# KiCad board MB1635_good_conversion.kicad_pcb (continued)
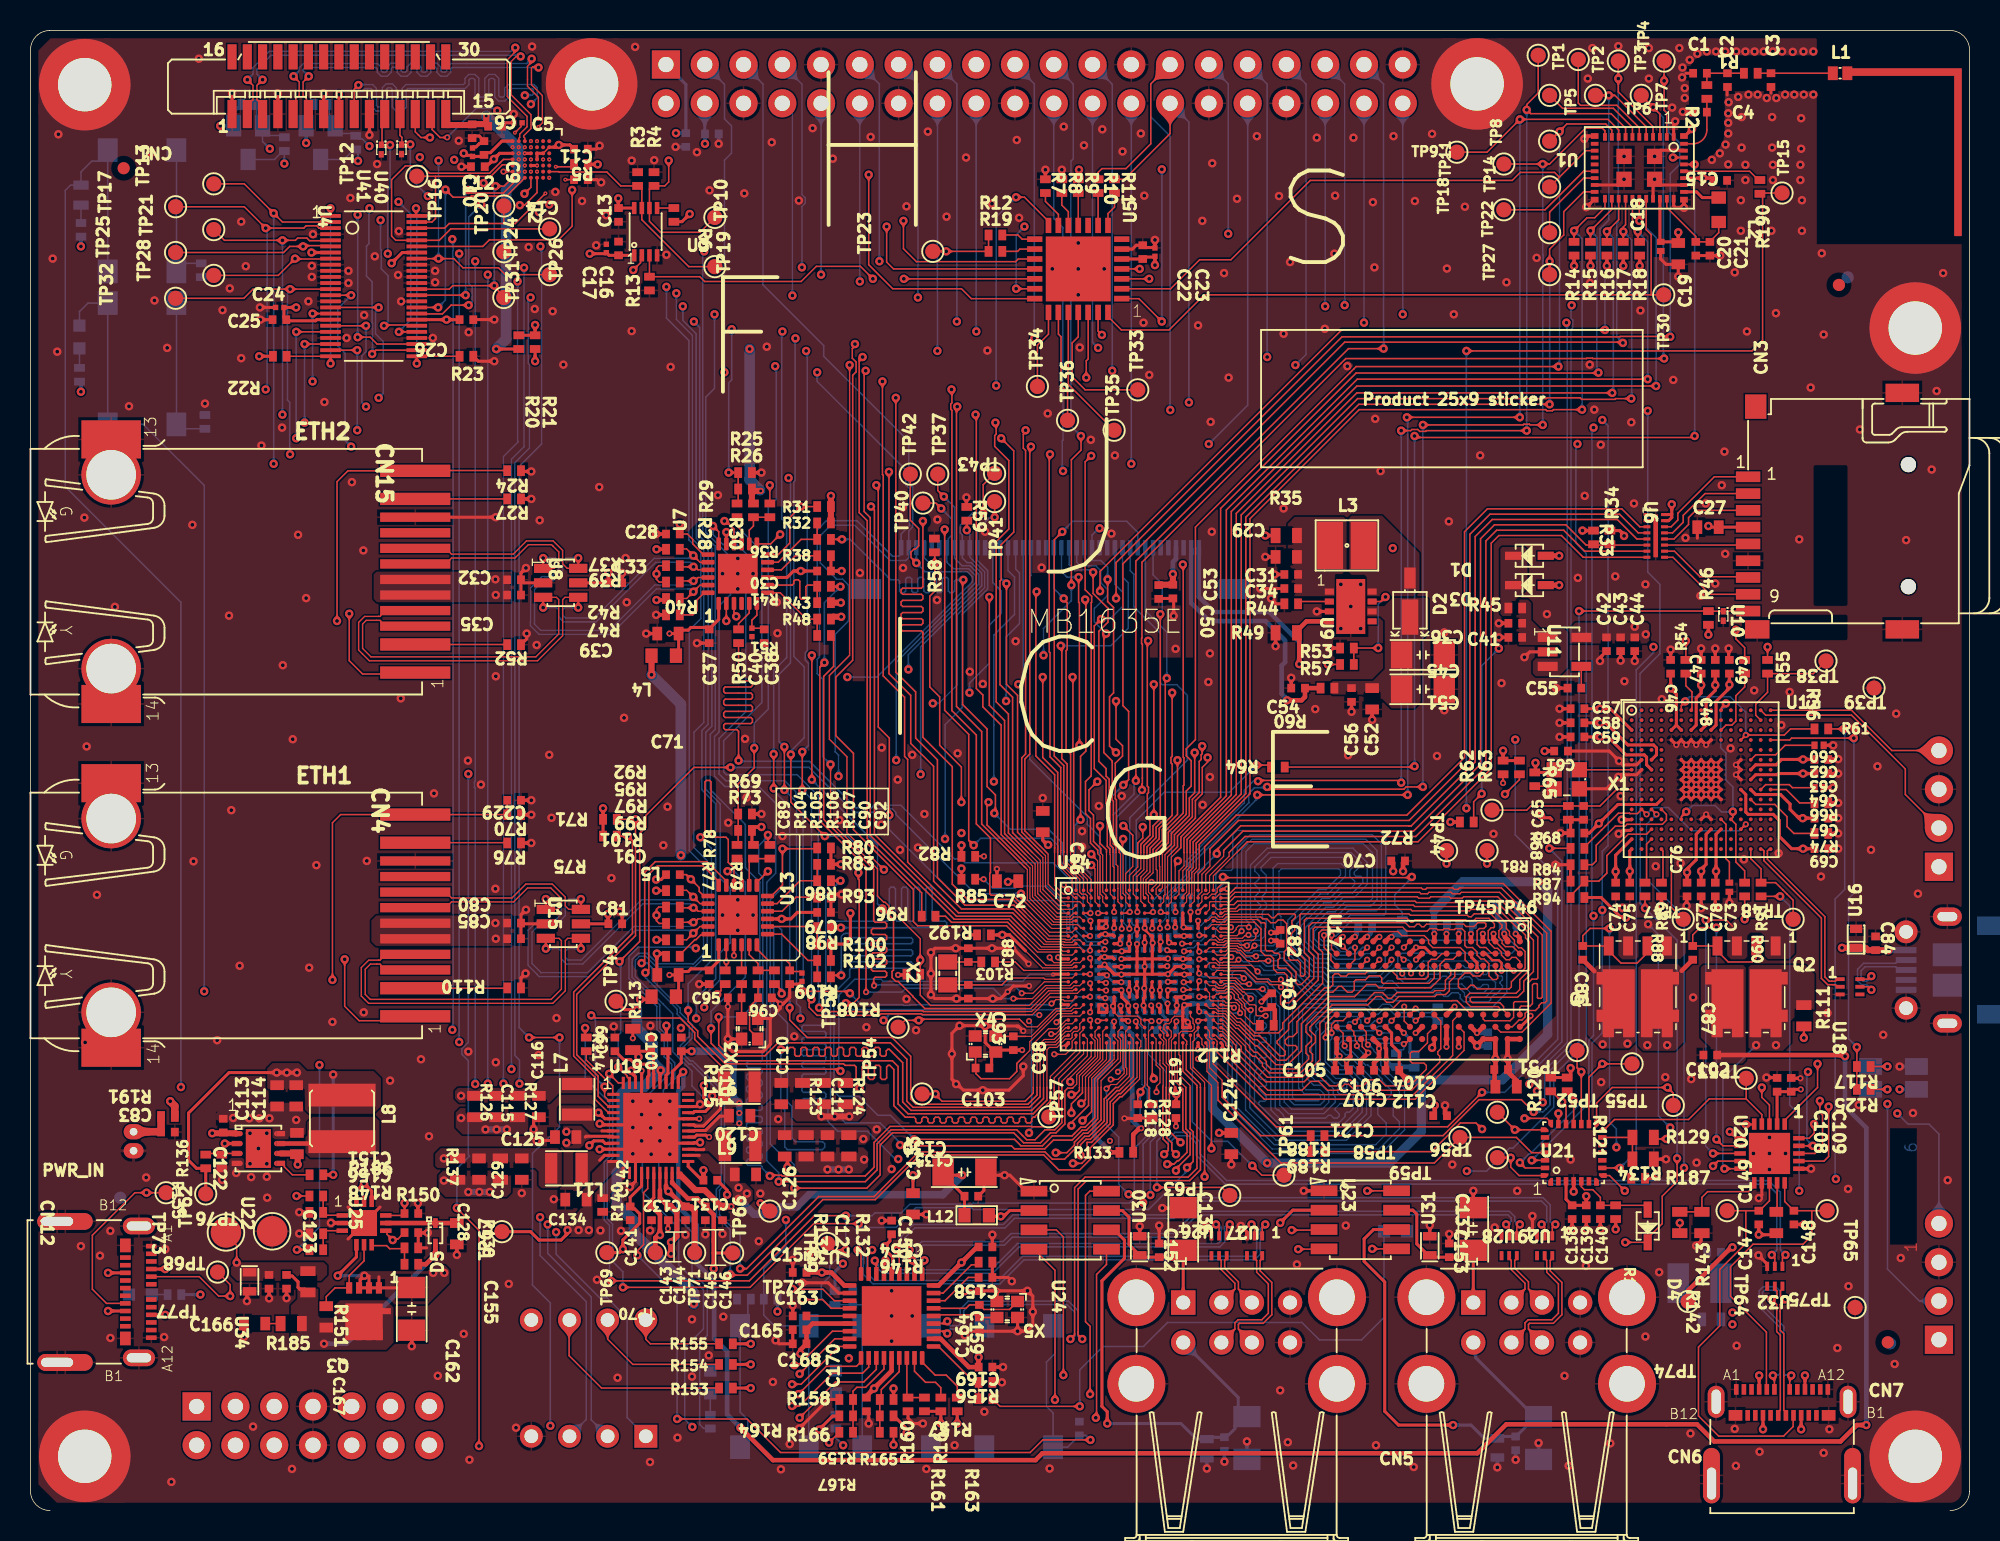
[diagram p0: board, top side]
## Routing (per net, layer and track width the routed paths; a pad name or vN(x,y) marks a point on that pad's centre or on a via; arc(x,y) is an arc through that point) (continued)
EXP_GPIO19: length 122.3
  Top Layer w0.075: 69.5,27.73 69.5,28.34 70.73,29.57 70.73,30.9 U14.Y6
  Top Layer w0.1: v1(68.9,25.55) 69.5,26.15 69.5,27.73
  Signal Layer 2 w0.09: v1(86.08,79) v1(100.95,79) ; v1(99.05,26.75) 98.3,26.75 97.1,25.55 75.95,25.55 75.2,24.81 74.5,24.81 74.22,24.52 71.66,24.52 71.24,24.95 70.63,25.55 v1(68.9,25.55)
  Bottom Layer w0.09: CN8.35 86.08,93.5 86.08,79 ; v1(99.05,26.75) 99.05,26.87 99.17,27 99.17,28.85 100.9,30.58 100.9,77.4 101.02,77.52 101.02,78.02 100.9,78.14 100.9,78.95 v1(100.95,79)
EXP_GPIO20: length 115.9
  Top Layer w0.075: U14.Y5 70,31.13 70,31 70.06,30.94 70.06,29.62 68.9,28.46 68.9,27.73
  Top Layer w0.1: 68.9,27.73 68.9,27.38 68.6,27.08 68.6,27.07 68.18,26.65 v1(68.18,26.05)
  Signal Layer 2 w0.09: v1(68.18,26.05) 97.28,26.05 98.68,27.45 v1(98.68,27.5) ; v1(87.34,77.85) v1(100.6,77.85)
  Bottom Layer w0.09: v1(98.68,27.5) 98.68,28.7 100.65,30.68 100.65,77.8 v1(100.6,77.85) ; v1(87.34,77.85) CN8.38
EXP_GPIO21: length 148.8
  Top Layer w0.075: U14.Y3 69.22,30.9 69.22,29.8 67.55,28.13 67.55,27.73
  Top Layer w0.1: v1(49,21.55) 54.68,21.55 55.45,22.33 55.45,24.03 56.37,24.95 64.6,24.95 65.25,24.3 65.8,24.3 66.45,24.95 67.08,24.95 67.55,25.42 67.55,27.73
  Signal Layer 2 w0.1: v1(44.8,78.4) v1(89.88,78.4)
  Bottom Layer w0.1: v1(49,21.55) 49,22.15 48.22,22.93 48.22,41.18 48.8,41.75 48.8,46.35 47.7,47.45 45.48,47.45 44.8,48.13 44.8,50.73 45.1,51.03 45.1,59.28 45.85,60.03 45.85,62.48 44.23,64.11 44.23,72.98 44.8,73.55 v1(44.8,78.4) ; v1(89.88,78.4) CN8.40
EXP_GPIO23: length 86.3
  Top Layer w0.075: 65.17,32.5 65.62,32.5 66.77,33.65 U14.R1
  Top Layer w0.1: 65.17,32.5 58.4,32.5 58.35,32.55 55.7,32.55 55.6,32.45 51.52,32.45 51,32.97 51,33.23 51.15,33.38 v1(51.15,33.5) ; v1(50.55,47.23) v1(50.55,49.73)
  Signal Layer 2 w0.1: v1(59.4,76) 57.58,76 57.46,76.13 54.28,76.13 54.15,76 v1(50.8,76)
  Bottom Layer w0.1: v1(51.15,33.5) 51.15,46.63 v1(50.55,47.23) ; v1(50.55,49.73) 50.95,50.13 50.95,55.53 50.75,55.73 50.75,56.23 50.87,56.35 50.87,75.93 v1(50.8,76) ; v1(59.4,76) CN8.16
EXP_GPIO24: length 99.8
  Top Layer w0.075: 65.93,27.73 65.93,30.4 66.4,30.88 67.04,30.88 67.81,31.64 67.97,31.64 U14.W1
  Top Layer w0.1: v1(48.67,47.33) v1(48.67,49.58) ; 65.93,27.73 65.93,27.23 65.33,26.63 58,26.63 57.65,26.98 57.65,29.78 56.42,31 50.87,31 49.72,32.15 v1(49.72,32.95)
  Signal Layer 2 w0.1: v1(49.25,77.28) v1(61.95,77.28)
  Bottom Layer w0.1: v1(49.25,77.28) 49.2,77.23 49.2,65 49.52,64.68 49.52,55.9 48.67,55.05 v1(48.67,49.58) ; v1(48.67,47.33) 48.67,47.2 48.8,47.08 48.8,47.05 49.72,46.13 v1(49.72,32.95) ; 61.94,77.28 CN8.18
EXP_GPIO25: length 100.8
  Top Layer w0.09: U14.P5 70,34.12 70.41,34.12 v2(70.45,34.08)
  Top Layer w0.1: v1(49.38,47.23) v1(49.38,50.05)
  Signal Layer 2 w0.09: v2(70.45,34.08) 69.76,34.08 69.7,34.02 66.99,34.02 66.08,33.1 v2(66.08,32.48)
  Signal Layer 2 w0.1: v1(49.65,67.68) 56.02,67.68 56.05,67.65 67.2,67.65 67.63,68.08 v1(67.63,68.13) ; v1(55.87,32.13) 55.17,32.13 55.04,32.25 v1(50.43,32.25)
  Bottom Layer w0.09: 65.17,32.48 v2(66.08,32.48)
  Bottom Layer w0.1: v1(49.38,47.23) 50.17,46.43 50.17,33.23 50.43,32.98 v1(50.43,32.25) ; CN8.22 67.02,84.68 67.62,84.08 67.62,70.15 67.58,70.1 67.58,68.18 v1(67.63,68.13) ; v1(49.38,50.05) 49.03,50.4 49.03,54.8 49.77,55.55 49.77,67.43 49.65,67.55 v1(49.65,67.68) ; v1(55.87,32.13) 56.3,32.55 58.35,32.55 58.43,32.48 65.17,32.48
EXP_GPIO26: length 66.6
  Top Layer w0.09: v2(71.47,38.13) U14.E8
  Top Layer w0.1: v1(88.63,76.15) 86.33,76.15 72.4,62.23 v1(72.4,47.83)
  Bottom Layer w0.09: v2(71.47,38.13) 71.43,38.18 71.43,43.13
  Bottom Layer w0.1: CN8.37 88.63,93.49 v1(88.63,76.15) ; 71.43,43.13 71.43,43.18 70.93,43.68 70.93,45.6 72.28,46.95 72.28,47.58 72.4,47.7 v1(72.4,47.83)
HSE_IN: length 6.6
  Top Layer w0.075: 65.17,31.08 65.56,31.08 67.22,32.73 68.16,32.73 68.33,32.9 68.73,32.9 U14.T3
  Top Layer w0.1: 63.2,31.08 C98.2 65.17,31.08
HSE_OUT: length 10.6
  Top Layer w0.075: U14.U2 68.47,32.64 68.31,32.64 68.23,32.57 67.29,32.57 65.45,30.73 65.45,30.15 65.17,29.88
  Top Layer w0.1: 65.17,29.88 64.6,29.3 64.6,28.78 64.12,28.3 62.26,28.3 61.93,28.63 61.93,28.97 C103.1 61.9,30.08
I2C1_SCL: length 150.4
  Top Layer w0.075: U14.A6 70.47,43.13
  Top Layer w0.1: 70.47,43.13 70.47,43.3 70.05,43.73 v1(70.05,44.88) ; v2(96.45,47.68) R62.1 ; v1(98.33,22.95) U21.26 ; R11.1 71.65,87.25 74.64,90.24 CN8.28
  Signal Layer 2 w0.1: v1(70.05,44.88) 71.4,46.23 72.6,46.23 73.8,47.43 78.22,47.43 79.22,48.43 80.66,48.43 80.73,48.35 95.78,48.35 v2(96.45,47.68) 96.52,47.68 97.05,47.15 97.05,46.75 102.95,40.85 v1(102.95,39.35) ; v1(102.95,71.48) 99.66,71.48 98.51,72.63 v1(75.88,72.63)
  Bottom Layer w0.1: CN8.28 75.88,91 v1(75.88,72.63) ; v1(102.95,71.48) 103.33,71.1 103.33,43.58 102.95,43.2 v1(102.95,39.35) 102.95,31.3 102.27,30.63 102.27,26.9 v1(98.33,22.95)
I2C1_SDA: length 158.7
  Top Layer w0.075: 72.2,43.13 72.2,42.22 71.73,41.74 71.73,40.55 71.96,40.31 71.96,40.16 U14.B9
  Top Layer w0.1: R10.1 69.92,87.7 70.17,87.95 71.75,87.95 73.38,89.58 73.38,93.5 CN8.27 ; v1(97.55,22.8) 97.9,22.45 U21.27 ; v1(71.58,44.88) 72.2,44.25 72.2,43.13 ; v1(96.58,46.95) 97.53,47.9 R63.1
  Signal Layer 2 w0.1: v1(74.65,72.13) 98.72,72.13 99.87,70.98 v1(102.38,70.98) ; v1(102.38,38.98) 102.38,41.14 96.58,46.94 v1(96.58,46.95) 96.57,46.95 95.37,48.15 80.65,48.15 80.58,48.23 79.3,48.23 78.3,47.23 73.93,47.23 v1(71.58,44.88)
  Bottom Layer w0.1: v1(97.55,22.8) 97.57,22.8 98.15,23.38 98.23,23.38 102.08,27.23 102.08,30.83 102.38,31.13 v1(102.38,38.98) 102.29,39.06 102.29,39.24 102.27,39.26 102.27,70.75 102.38,70.85 v1(102.38,70.98) ; CN8.27 73.38,93.5 73.38,91.34 74.64,90.08 74.64,72.13
I2C4_SCL: length 65.8
  Top Layer w0.075: U14.A9 71.97,41.63 72.52,42.18 72.52,43.13
  Top Layer w0.1: U19.4 37.85,26.08 36.97,26.95 36.97,28.39 35.57,29.79 35.57,33.98 39.42,37.83 39.42,43.9 v1(39.13,44.2) R75.1 ; 72.52,43.13 72.52,43.75 72.85,44.08 v1(72.85,44.8)
  Signal Layer 2 w0.09: 72.3,43.13 70.87,41.7 65.01,41.7 64.81,41.9
  Signal Layer 2 w0.1: 72.3,43.13 72.85,43.68 v1(72.85,44.8) ; 64.81,41.9 63.8,41.9 62.85,40.95 61.77,40.95 61.17,41.55 55.68,41.55 54.28,42.95 44.44,42.95 41.74,45.65 40.05,45.65 39.98,45.73 39.45,45.73 39.13,45.4 v1(39.13,44.2)
I2C4_SDA: length 63.9
  Top Layer w0.075: 75.17,42.6 74.97,42.4 U14.A15
  Top Layer w0.1: R71.1 v1(39.62,45.3) 39.62,37.68 35.77,33.83 35.77,29.87 37.17,28.47 37.17,27.15 37.85,26.48 U19.3
  Signal Layer 2 w0.09: 65.17,41.5 71.16,41.5 72.24,42.58 v1(75.15,42.58)
  Signal Layer 2 w0.1: 65.17,41.5 64.77,41.5 64.58,41.7 63.88,41.7 62.91,40.73 61.72,40.73 61.12,41.33 55.58,41.33 54.5,42.4 53.88,42.4 53.26,41.78 51.89,41.78 50.92,42.75 44.35,42.75 41.65,45.45 39.77,45.45 v1(39.62,45.3)
I2C5_SCL_1V8: length 24.7
  Signal Layer 1 w0.1: v1(29.67,87) 29.68,87 30.88,88.2 31.9,88.2 31.95,88.15 v3(31.97,88.15)
  Signal Layer 2 w0.1: v1(15.68,89.25) 15.68,87.95 16.65,86.98 23.78,86.98 v1(25.5,88.7) 27.2,87 v1(29.67,87)
  Bottom Layer w0.1: v1(15.68,89.25) 15.2,89.73 15.2,90.12 ; R171.1 16.5,90.12 15.2,90.12 ; 15.2,90.12 TR2.2 14.83,91.12 14.83,92.02 R169.1
I2C5_SDA_1V8: length 15.5
  Top Layer w0.1: v2(30.97,87.75) U2.G6
  Signal Layer 2 w0.1: v1(22.2,89.43) 22.72,88.9 24.92,88.9 25.15,89.13 26.88,89.13 27.25,88.75 27.25,88.03 27.68,87.6 29.62,87.6 29.78,87.75 v2(30.97,87.75)
  Bottom Layer w0.1: R168.1 19.58,92.02 19.58,91.12 TR1.2 19.95,90.25 21.15,90.25 21.5,89.9 21.72,89.9 v1(22.2,89.43)
I_SENSE_VDD: length 51.4
  Signal Layer 3 w0.2: v1(54.3,27.68) 54.3,27.35 54.45,27.2 57.38,27.2 58.87,25.7 58.87,20.81 55.87,17.8 49.99,17.8 46.54,14.35 45.47,14.35 44.87,13.75 44.87,11.46 43.58,10.17 33.17,10.17 28.35,5.35 27.19,5.35 CN14.14
I_SENSE_VDD CPU: length 35.1
  Signal Layer 3 w0.2: v1(28.2,27.18) 28.2,26.88 27.98,26.65 25.48,26.65 18.43,19.59 18.43,14.57 17.01,13.15 14.26,13.15 8.88,7.77 8.88,5.73 9.26,5.35 9.81,5.35 CN14.2
I_SENSE_VDD_CORE: length 47
  Signal Layer 3 w0.2: v1(54.55,24.35) 54.58,24.33 54.58,23.99 54.69,23.88 55.32,23.88 55.85,23.34 55.85,22.18 53.75,20.08 49.45,20.08 48.33,18.95 41.95,18.95 41.95,18.95 38.63,18.95 38.2,18.52 38.2,17.67 37.28,16.75 32.33,16.75 24.07,8.49 23.28,8.49 22.33,7.54 22.33,5.57 CN14.10
I_SENSE_VDD_DDR: length 28.1
  Signal Layer 3 w0.2: v1(27.07,23.08) 27.07,22.72 26.9,22.55 25.53,22.55 20.8,17.82 20.8,14.1 15.88,9.18 12.86,9.18 12.15,8.47 12.15,5.55 CN14.4
I_SENSE_VDD_USB: length 43.9
  Top Layer w0.2: 39.52,30.1 39.83,29.8 v1(39.83,29.73) ; 39.52,30.1 R113.1 ; 39.52,30.1 C100.2 ; U19.39 40.82,28.63 40.8,28.65 40.8,29.95 40.67,30.08 40.65,30.08
  Signal Layer 3 w0.2: CN14.6 15.96,4.31 17.27,5.63 17.27,7.88 19.2,9.8 22.84,9.8 31.58,18.53 31.58,21.35 32.25,22.03 32.25,26 36.3,30.05 39.61,30.05 39.83,29.83 v1(39.83,29.73)
ISENSE_MEAS: length 13.6
  Top Layer w0.1: 112.37,26.98 TP53.1 ; 112.37,26.98 109.95,26.98 108.6,25.63 103.75,25.63 U21.14 ; 112.37,26.98 113.4,25.95 U20.4
LCD_B2: length 26.4
  Top Layer w0.09: 70.03,39.15 U14.D6
  Bottom Layer w0.09: v2(69.93,39.15) 69.93,39.23 70.02,39.33 70.02,43.13
  Bottom Layer w0.1: 65.53,63.15 CN16.23 65.53,61.29 65.45,61.22 65.45,49.23 69.22,45.45 69.22,44.98 70.02,44.18 70.02,43.13
LCD_B3: length 34.4
  Top Layer w0.09: U14.D11 72.99,39.16 73.44,39.16 73.45,39.18
  Top Layer w0.1: v1(73.58,45.6) v1(73.58,54.15)
  Signal Layer 2 w0.219: v1(73.58,54.15) 73.53,54.1 64.75,54.1 v1(64.7,54.15)
  Bottom Layer w0.09: 74.73,43.13 74.73,41.18 73.53,39.98 v2(73.53,39.23)
  Bottom Layer w0.1: v1(64.7,54.15) 65.03,54.47 CN16.24 ; v1(73.58,45.6) 74.73,44.45 74.73,43.13
LCD_B4: length 31.2
  Top Layer w0.075: U14.B8 71.47,40.19 71.39,40.27 71.39,43.04 71.31,43.12
  Top Layer w0.1: v1(71.1,53.05) 71.1,50.55 71.52,50.13 71.52,49.45 71.05,48.98 71.05,46.65 71.12,46.57 71.12,43.78 71.3,43.61 71.3,43.32 71.31,43.31 71.31,43.13
  Signal Layer 2 w0.219: v1(63.9,53.05) v1(71.1,53.05)
  Bottom Layer w0.1: CN16.25 64.53,61.71 64.77,61.46 64.77,58.12 63.9,57.25 v1(63.9,53.05)
LCD_B5: length 31.2
  Top Layer w0.075: 70.1,43.13 70.1,43.08 70.23,42.95 70.23,40.55 70.45,40.33 70.45,40.17 U14.B6
  Top Layer w0.1: 70.1,43.13 70.1,43.38 69.63,43.85 69.63,45.58 69.33,45.88 69.33,47.23 v1(69.87,47.78)
  Signal Layer 2 w0.219: v1(63.1,47.78) v1(69.88,47.78)
  Bottom Layer w0.1: CN16.26 64.02,61.61 64.45,61.18 64.45,58.73 63.1,57.38 v1(63.1,47.78)
LCD_B6: length 25.7
  Top Layer w0.075: 65.98,43.13 66.31,42.79 66.31,40.69 67.35,39.65 U14.C1
  Top Layer w0.1: v1(63.92,60.75) 63.92,54.15 64.65,53.43 64.65,44.45 65.98,43.13
  Bottom Layer w0.1: v1(63.92,60.75) 63.52,61.15 CN16.27
LCD_B7: length 38.2
  Top Layer w0.075: 73.33,43.13 73.33,41.85 72.89,41.42 72.89,40.27 72.97,40.19 U14.B11
  Top Layer w0.1: v1(74.78,53.6) 74.78,49.43 74.7,49.35 74.7,49 74.78,48.92 74.78,45.55 73.93,44.7 73.93,44.01 73.33,43.41 73.33,43.13
  Signal Layer 2 w0.219: v1(61.5,53.6) v1(74.78,53.6)
  Bottom Layer w0.1: CN16.28 63.03,60.82 63.58,60.27 63.58,58.81 62.8,58.03 62.8,55.53 61.5,54.23 v1(61.5,53.6)
LCD_BL: length 32.4
  Top Layer w0.075: 68.33,43.13 68.33,42.5 69.47,41.35 U14.A4
  Top Layer w0.1: 68.33,54.63 68.28,54.58 68.28,49.97 68.33,49.92 68.33,43.13 ; v1(84.98,55.45) R57.1
  Signal Layer 2 w0.1: v1(84.98,55.45) 84.55,55.03 74.02,55.03 73.62,54.63 73.62,54.63 v1(68.25,54.63)
LCD_BL_A: length 17.8
  Top Layer w0.3: R60.2 C54.2 83.47,53.33 83.25,53.1 v1(82.3,53.1)
  Bottom Layer w0.3: CN16.2 76.03,59.48 77.21,58.29 80.9,58.29 82.18,57.02 82.18,55.6 81.95,55.38 81.95,53.52 82.3,53.17 v1(82.3,53.1)
LCD_BL_K: length 17.1
  Top Layer w0.3: v1(83.1,55.48) 83.1,57.38 R49.2 82.95,57.65 83.58,58.28 U9.4
  Bottom Layer w0.3: CN16.1 76.53,59.88 77.51,58.89 81.14,58.89 83.1,56.92 v1(83.1,55.48)
LCD_CLK: length 41.2
  Top Layer w0.075: U14.C9 71.72,39.9 71.72,40.28 71.56,40.44 71.56,43.13
  Top Layer w0.1: 62.97,66.13 63.15,65.95 v1(63.15,65.1) ; v1(71.56,44.02) 71.52,43.97 71.52,43.17 71.56,43.13 71.56,43.13
  Signal Layer 2 w0.219: v1(71.56,44.02) 71.55,44.03 67.65,44.03 66.75,44.93 60.81,44.93 v1(59.9,44.02)
  Bottom Layer w0.1: v1(59.9,44.02) 59.9,51.5 61.02,52.63 61.02,58.73 62.69,60.4 62.69,61.6 62.03,62.27 CN16.30 62.03,64.28 62.8,65.05 63.1,65.05 v1(63.15,65.1)
LCD_DE: length 50.8
  Top Layer w0.075: 73.53,43.13 73.53,41.8 73.06,41.33 73.06,40.44 73.22,40.28 73.22,39.9 U14.C12
  Top Layer w0.1: 73.53,43.13 73.53,43.33 74.13,43.93 74.13,44.62 75.12,45.62 v1(75.12,49.18) ; TP40.1 59.3,66.03 v1(59.65,65.68)
  Signal Layer 2 w0.1: v1(56.7,49.18) 56.82,49.18 56.92,49.08 74.84,49.08 74.86,49.09 75.04,49.09 v1(75.13,49.18)
  Bottom Layer w0.1: v1(59.65,65.68) 60.33,65 60.33,63.9 60.11,63.68 60.11,63.18 CN16.34 60.02,62.15 60.45,61.73 61.45,61.73 61.9,61.28 61.9,60.8 56.7,55.6 v1(56.7,49.18)
LCD_DISP: length 102.1
  Top Layer w0.09: v1(61.33,64.25) R59.2 ; 79.02,27.73 77.47,29.27 U14.AA20
  Top Layer w0.1: v1(95.08,27.41) 92.82,25.15 81.6,25.15 79.02,27.73
  Signal Layer 2 w0.1: v1(59.1,52.9) 61.48,50.53 68.47,50.53 68.52,50.57 97.2,50.57 v1(97.25,50.53)
  Bottom Layer w0.09: v1(61.33,64.25) 61.33,64.17 61.52,63.97 61.52,62.49 62.5,61.52 62.5,60.5 60.7,58.7 60.7,54.11 59.49,52.9 v1(59.1,52.9)
  Bottom Layer w0.1: v1(97.25,50.53) 97.25,44.28 100.03,41.5 100.03,30.88 96.56,27.41 v1(95.08,27.41)
LCD_G2: length 30.4
  Top Layer w0.075: 73.72,43.13 73.72,42.03 73.8,41.96 73.8,41.1 73.47,40.78 U14.A12
  Top Layer w0.1: v1(75.47,62) 75.5,61.97 75.5,49.38 75.55,49.33 75.55,47.55 75.5,47.5 75.5,45.71 74.33,44.54 74.33,43.85 73.72,43.25 73.72,43.13
  Signal Layer 2 w0.219: v1(75.47,62) 72.87,64.6 70.32,64.6 70.09,64.38 v1(70.02,64.38)
  Bottom Layer w0.1: CN16.15 69.53,63.93 69.97,64.38 v1(70.02,64.38)
LCD_G3: length 30.2
  Top Layer w0.075: U14.A13 74.14,40.81 74.14,43.09 74.17,43.13
  Top Layer w0.1: v1(70.55,61.03) 70.55,59.58 70.94,59.19 70.94,53.59 70.68,53.33 70.68,50.1 v1(71.1,49.68) ; v1(76.25,49.68) 76.25,47.04 75.9,46.69 75.9,45.55 74.73,44.37 74.73,43.68 74.25,43.21 74.25,43.2 74.17,43.13
  Signal Layer 2 w0.219: v1(71.1,49.68) v1(76.25,49.68)
  Bottom Layer w0.1: v1(70.55,61.03) 70.55,61.82 70.12,62.26 69.2,62.26 69.02,62.43 CN16.16
LCD_G4: length 26.1
  Top Layer w0.075: U14.C8 71.22,39.9 71.22,42.23 71.1,42.35 71.1,43.13
  Top Layer w0.1: v1(70.45,57.48) 70.45,57.42 70.3,57.27 70.3,49.67 70.85,49.12 70.85,49.06 70.85,49.06 70.85,46.57 70.93,46.49 70.93,43.7 71.1,43.52 71.1,43.13
  Bottom Layer w0.1: CN16.17 68.53,62.15 68.75,61.93 69.78,61.93 70.1,61.6 70.1,60.81 70.55,60.36 70.55,59.99 69.68,59.12 69.68,58.25 v1(70.45,57.48)
LCD_G5: length 24.8
  Top Layer w0.075: 70.9,43.13 70.9,42.23 70.97,42.15 U14.A7
  Top Layer w0.1: 70.9,43.13 70.9,43.44 70.73,43.62 70.73,46.41 70.65,46.48 70.65,47.93 70.45,48.13 70.45,48.63 69.97,49.1 69.97,57.63 70.58,58.23 70.58,59.13 69.6,60.11 v1(69.6,61.5)
  Bottom Layer w0.1: CN16.18 68.03,62 68.37,61.65 69.33,61.65 69.48,61.5 v1(69.6,61.5)
LCD_G6: length 33.6
  Top Layer w0.075: 74.45,43.13 74.3,42.98 74.3,40.38 74.22,40.3 74.22,39.9 U14.C13
  Top Layer w0.1: 74.45,43.13 74.92,43.6 74.92,44.29 76.1,45.46 76.1,46.61 76.55,47.06 76.55,49.1 76.68,49.23 76.68,49.53 76.74,49.6 v1(76.74,50.1) ; v1(68.65,61.18) 68.65,59.53 68.7,59.48 v1(68.7,50.15)
  Signal Layer 2 w0.219: v1(68.7,50.15) 68.73,50.18 76.58,50.18 76.65,50.1 v1(76.74,50.1)
  Bottom Layer w0.1: v1(68.65,61.18) 67.88,61.18 67.52,61.53 CN16.19
LCD_G7: length 24.1
  Top Layer w0.075: U14.B4 69.46,40.16 69.46,40.31 69.22,40.55 69.22,41.36 68.13,42.46 68.13,43.13
  Top Layer w0.1: 68.13,43.13 68.13,49.58 67.83,49.87 67.83,56.35 67.9,56.43 67.9,59.49 67.66,59.74 67.66,59.8
  Bottom Layer w0.1: v1(67.67,59.78) 67.03,60.43 CN16.20
LCD_HSYNC: length 53
  Top Layer w0.075: U14.B14 74.47,42.85 74.75,43.13
  Top Layer w0.1: v1(77.1,49.35) 77.1,49.05 76.75,48.7 76.75,46.98 76.3,46.53 76.3,45.38 75.12,44.21 75.12,43.5 74.75,43.13 ; v1(62.4,65.38) 62.4,67.23 TP43.1
  Signal Layer 2 w0.219: v1(77.1,49.35) 76.23,48.48 58.59,48.48 58.37,48.25 v1(58.3,48.25)
  Bottom Layer w0.1: v1(62.4,65.38) 61.71,65.38 60.9,64.57 60.9,64.07 61.02,63.95 CN16.32 61.02,62.44 61.34,62.13 61.62,62.13 62.3,61.44 62.3,60.6 58.3,56.6 v1(58.3,48.25)
LCD_INT: length 51.5
  Top Layer w0.075: 67.27,43.13 67.27,42.35 68.23,41.4 68.23,40.55 68.35,40.43 68.37,40.4 68.57,40.4 68.83,40.15 U14.B3
  Top Layer w0.1: 67.27,43.13 67.27,43.34 67.28,43.34 67.28,48.37 66.3,49.35 v1(66.3,54.63) ; v1(58.02,62.1) 57.67,62.45 57.67,62.78 57.65,62.8 57.86,63.01 57.96,63.01 58.18,63.23 58.18,64.35 57.62,64.9 TP42.1
  Signal Layer 2 w0.1: v1(53.5,54.62) 53.58,54.55 61.95,54.55 62.25,54.85 66.02,54.85 66.24,54.63 v1(66.3,54.63)
  Bottom Layer w0.1: v1(53.5,54.62) 55.44,54.62 61.7,60.88 61.7,61.19 61.37,61.53 58.6,61.53 v1(58.03,62.1) CN16.38
LCD_R2: length 23.4
  Top Layer w0.075: U14.A10 72.47,41.55 72.92,42 72.92,43.13
  Top Layer w0.1: v1(74,58.75) 74,45.34 73.52,44.86 73.52,44.18 73.32,43.98 73.32,43.98 72.92,43.58 72.92,43.13
  Bottom Layer w0.1: v1(74,58.75) 74,58.87 74.12,59 74.12,60.73 73.53,61.33 CN16.7
LCD_R3: length 24.8
  Top Layer w0.075: U14.C11 72.97,39.68 72.72,39.93 72.72,41.52 73.13,41.93 73.13,43.13
  Top Layer w0.1: 73.13,43.13 73.13,43.5 73.73,44.1 73.73,44.79 74.33,45.39 74.33,54.27 74.34,54.28 74.34,54.46 v1(74.43,54.55)
  Bottom Layer w0.1: v1(74.43,54.55) 74.43,57.57 73.02,58.97 CN16.8
LCD_R4: length 32.4
  Top Layer w0.075: U14.C4 69.22,39.9 69.22,40.28 69.1,40.4 68.85,40.4 68.72,40.53 68.72,41.38 67.67,42.43 67.67,43.13
  Top Layer w0.1: v1(67.58,64.15) 67.05,63.62 67.05,49.45 67.68,48.82 67.68,43.18 67.67,43.17 67.67,43.13
  Bottom Layer w0.1: CN16.9 72.52,64.11 71.79,64.84 68.27,64.84 v1(67.58,64.15)
LCD_R5: length 28
  Top Layer w0.09: U14.D8 71.95,39.15
  Bottom Layer w0.09: v2(72,39.23) 72,43.13
  Bottom Layer w0.1: 72,43.13 72,45.4 75.78,49.18 75.78,53.43 75.08,54.13 74.13,54.13 74,54.25 74,57.5 72.27,59.23 72.27,61.36 72.03,61.61 CN16.10
LCD_R6: length 26.9
  Top Layer w0.075: U14.A3 68.97,41.37 67.9,42.44 67.9,43.13
  Top Layer w0.1: 67.9,43.13 67.9,48.93 67.55,49.28 67.55,56.6
  Bottom Layer w0.1: CN16.11 71.52,61.18 71.9,60.8 71.9,57.83 70.75,56.68 v1(67.48,56.68)
LCD_R7: length 24.8
  Top Layer w0.075: U14.B7 70.73,40.4 70.73,42.98 70.7,43 70.7,43.13
  Top Layer w0.1: 70.7,43.13 70.7,43.36 70.53,43.53 70.53,46.27 70.45,46.35 70.45,47.85 69.68,48.63 69.68,57.98 v1(70.12,58.43)
  Bottom Layer w0.1: v1(70.12,58.43) 70.7,58.43 71.55,59.28 71.55,60.18 71.03,60.71 CN16.12
LCD_RST: length 31.9
  Top Layer w0.075: U14.E2 68.47,38.65 68.3,38.65 68.22,38.57 67.01,38.57 65.46,40.12 65.46,42.12 65.17,42.4
  Top Layer w0.1: R58.1 59.22,62.78 v1(59.22,62.08) 59.22,60.25 58.9,59.93 58.9,53.98 59.55,53.33 59.55,50.15 60.97,48.73 v1(60.97,46.43) ; 65.17,42.4 62.65,44.93 62.65,46.14 62.66,46.16 62.66,46.34 v1(62.75,46.43)
  Signal Layer 2 w0.1: v1(60.97,46.43) v1(62.75,46.43)
  Bottom Layer w0.1: CN16.37 58.52,62.45 58.86,62.11 59.19,62.11 v1(59.22,62.08)
LCD_VSYNC: length 50.2
  Top Layer w0.075: U14.B10 72.23,40.4 72.23,41.58 72.72,42.08 72.72,43.13
  Top Layer w0.1: v1(59.83,66.45) 59.42,66.85 TP37.1 ; v1(73.2,57) 73.15,56.95 73.15,47.48 73.23,47.4 73.23,47.05 73.15,46.97 73.15,45.38 73.32,45.2 73.32,44.26 72.96,43.9 72.96,43.9 72.72,43.66 72.72,43.13
  Signal Layer 2 w0.219: v1(57.5,55.13) 57.85,55.47 71.67,55.47 v1(73.2,57)
  Bottom Layer w0.1: v1(57.5,55.13) 57.5,56.1 62.1,60.7 62.1,61.36 61.53,61.93 61.01,61.93 60.53,62.41 CN16.33 60.53,65.75 v1(59.83,66.45)
LED_G: length 147.3
  Top Layer w0.1: U5.3 v1(73.28,80.73) ; v1(32.65,31) v1(34.65,31)
  Signal Layer 2 w0.1: v1(34.05,5.55) 35.02,6.53 47.5,6.53 48.3,5.73 49.28,5.73 50.13,4.88 52.63,4.88 53.23,4.28 v1(53.23,4.28) ; v1(73.28,80.73) 73.2,80.8 73.2,81.55 72.45,82.3 66.27,82.3 65.5,83.08 40.35,83.08 39.1,81.83 34.98,81.83 33.95,82.85 v1(33.4,82.85)
  Bottom Layer w0.1: v1(34.05,5.55) 34.05,13.6 32.88,14.78 32.88,23.4 33.3,23.83 33.33,23.83 34.65,25.15 v1(34.65,31) ; v1(53.23,4.28) 52.75,4.75 R183.1 ; v1(32.65,31) 32,31.65 32,68.43 33.47,69.9 33.47,82.78 v1(33.4,82.85)
LED_Y: length 118.5
  Top Layer w0.1: U5.4 v1(72.65,81.38)
  Signal Layer 2 w0.1: v1(41.65,80.2) 41.67,80.23 49.6,80.23 49.75,80.08 61.33,80.08 61.97,80.73 70.62,80.73 71.27,81.38 v1(72.65,81.38)
  Bottom Layer w0.1: R184.1 44.52,5.38 44.08,5.38 43.83,5.64 43.83,10.98 44.33,11.48 44.33,14.63 43.62,15.33 43.62,15.33 43.33,15.63 43.33,18.25 43.08,18.5 43.08,18.5 41.15,20.43 41.15,23.48 41.65,23.98 41.65,24.65 41.38,24.93 41.38,25.43 41.65,25.7 41.65,26.3 41.45,26.5 41.45,27.55 42.2,28.3 42.2,29.33 41.72,29.8 41.72,31.1 41.23,31.6 41.23,33.12 39.4,34.95 39.4,35.9 39.41,35.91 39.41,36.13 39.8,36.52 40.38,36.52 41.08,35.82 43.42,35.82 44.08,36.48 44.08,42.33 43.15,43.25 43.15,57.7 43.9,58.46 43.9,62.82 43.13,63.6 43.13,76.68 41.65,78.15 v1(41.65,80.2) ; 44.66,5.51 44.8,5.38
LPO_32: length 94.6
  Top Layer w0.09: 69.45,34.55 69.45,34.18 U14.P4
  Top Layer w0.1: v1(94.05,76) 112.75,76 113.45,76.7 113.45,86.13 113.36,86.21 113.5,86.35 TP15.1
  Signal Layer 2 w0.09: v2(69.4,34.55) 69.87,35.03 69.87,38.4 70.25,38.78 75.1,38.78 75.5,39.18 75.5,39.43 76.15,40.08 76.15,43.13
  Signal Layer 2 w0.1: v1(94.05,46.03) 78.67,46.03 76.15,43.5 76.15,43.13
  Bottom Layer w0.1: v1(94.05,46.03) v1(94.05,76)
MCO1: length 111.2
  Top Layer w0.075: U14.V1 67.95,32.13 67.81,32.13 67.26,31.58 66.67,31.58 65.68,30.58 65.68,27.73
  Top Layer w0.1: U3.2 39.96,82.18 39.96,81.78 v1(39.47,81.3) ; 65.68,27.73 65.68,27.35 65.15,26.83 59.7,26.83 59.22,27.3 ; TP54.1 v1(59.27,27.3)
  Signal Layer 2 w0.1: v1(28.08,30.7) 28.08,30.7 28.2,30.58 42.17,30.58 44.25,28.5 47.7,28.5 48.95,27.25 59.17,27.25 59.22,27.3 ; v1(28.08,82.38) 33.4,82.38 34.47,81.3 v1(39.47,81.3)
  Bottom Layer w0.1: v1(28.08,30.7) v1(28.08,82.38)
MCP_INT: length 107.9
  Top Layer w0.075: 66.12,27.73 66.12,30.35 66.48,30.7 67.1,30.7 67.8,31.4 68.1,31.4 68.33,31.63 68.45,31.63 U14.W2
  Top Layer w0.1: R12.1 R19.1 v1(59.97,82.53) TP23.1 ; 66.12,27.73 66.12,27.13 65.43,26.43 57.8,26.43 57.4,26.83 57.4,29.58 56.33,30.65 48.95,30.65 48.1,29.8 45.77,29.8 45.08,30.5 v1(45.08,32.35)
  Signal Layer 2 w0.1: v1(44.13,82.53) v1(59.97,82.53)
  Bottom Layer w0.1: v1(44.13,82.53) 44.04,82.44 44.04,82.26 44.03,82.24 44.03,64.03 44.85,63.2 44.85,51.2 44.52,50.88 44.52,47.25 46.83,44.95 46.83,42.13 47.78,41.18 47.78,33.55 46.58,32.35 v1(45.08,32.35)
MCP_IO2: length 27.5
  Top Layer w0.1: U3.3 R13.2 43.84,80.86 44.15,80.55 50.48,80.55 51.47,81.54 54.36,81.54 v1(55.17,80.73) ; v1(57.2,80.73) U5.19
  Signal Layer 2 w0.1: v1(55.17,80.73) v1(57.2,80.73)
MCP_IO11: length 44.4
  Top Layer w0.1: 106.15,79.68 TP30.1 ; 106.15,79.68 106.15,83.63 105.83,83.95 U1.28 ; 106.15,79.68 76.88,79.68 74.58,77.38 71.45,77.38 70.58,78.25 U5.28
NetB1_3: length 9.8
  Bottom Layer w0.1: B1.3 B1.4 10.08,81.74 R173.1
NetB2_3: length 9.9
  Bottom Layer w0.1: B2.3 B2.4 9.84,70.9 R175.1
NetB3_3: length 57.1
  Top Layer w0.1: U19.17 40.43,21.1 40.15,20.83 40.15,17.43 39.75,17.03 v1(39.75,16.73) ; v1(42.35,6) 46.93,6 49.12,3.8 65.47,3.8 66.3,4.63 v1(69.43,4.63)
  Bottom Layer w0.1: v1(39.75,16.73) 42.35,14.13 v1(42.35,6) ; v1(69.43,4.63) 69.13,4.93 C228.2 68.68,4.93 68.47,4.72 68.47,4.7 67.92,4.15 B3.4 66.98,6.39 66.54,6.83 66.54,9.73 67.1,10.28 67.1,11.98 B3.3
NetB4_3: length 10.4
  Bottom Layer w0.1: R182.1 46.98,13.66 46.98,12.61 B4.4 46.47,6.45 46.98,5.94 46.98,4.66 B4.3
NetC1_2: length 3.2
  Top Layer w0.1: R2.1 C1.2 R1.2
NetC3_2: length 4.9
  Top Layer w0.1: R1.1 C3.2 L1.1
NetC4_2: length 4.1
  Top Layer w0.1: U1.41 108.89,89.58 arc(109.53,89.84) 109.8,90.49 C4.2 R2.2
NetC5_2: length 1.9
  Top Layer w0.1: C5.2 32.12,90.88 32.12,90.7 v3(31.72,90.3)
  Signal Layer 1 w0.1: v3(31.72,90.3) 31.72,89.6 v3(31.97,89.35)
NetC14_2: length 4.4
  Top Layer w0.1: v3(35.02,87.23) C14.2
  Signal Layer 1 w0.1: v3(35.02,87.23) 35.02,88.51 34.7,88.83 33.45,88.83 33.25,88.63 32.9,88.63 32.82,88.55 v3(32.78,88.55)
NetC20_2: length 6.1
  Top Layer w0.1: U1.31 107.17,85.4 109.08,83.5 C20.2 C21.2 110,83.18 110.58,83.75 L2.2
NetC28_2: length 15.5
  Top Layer w0.1: v1(42.52,64.65) C28.2 43.03,64 43.37,63.65 43.37,63.35 44.08,62.65 U7.19 ; R40.2 41.18,60.85 41,61.03 v1(41,61.39) 41,61.78 41.15,61.93 R39.2
  Top Layer w0.2: v1(41,59.68) 41.53,59.68 R42.2 ; v2(41.85,57.48) C39.1 ; C39.1 42.45,56.23 42.28,56.05 ; C39.1 42.68,57.7 43.08,57.7 43.25,57.88 44.35,57.88 44.45,57.78 45.08,58.4 U7.1 ; v1(37.85,61.48) C33.1 U8.5 ; v1(41,63) R37.2
  vias: v1(30.45,61.03) v1(30.47,60.01)
NetC38_2: length 2.6
  Top Layer w0.1: C38.2 47.97,57.83 C40.2 47.25,58.35 47.58,58.67 U7.6
NetC55_2: length 1.4
  Top Layer w0.1: C55.2 U11.4
NetC60_2: length 4.6
  Top Layer w0.1: U12.F13 113,49.53 114.3,49.53 114.92,50.15 C60.2
NetC64_2: length 3.7
  Top Layer w0.1: C64.2 115.4,47.38 115.2,47.58 113.65,47.58 U12.J14
NetC71_2: length 14.7
  Top Layer w0.1: U13.19 44.1,40.28 43.8,40.58 43.8,40.83 v1(43.25,41.38) 42.95,41.68 C71.2 ; R95.2 41.15,39.55 41,39.4 v1(41,39.01) 41,38.65 41.18,38.48 R97.2 ; v1(41,37.4) R99.2 ; v1(40.97,40.63) R92.2
  Top Layer w0.2: L5.1 42.45,33.85 C91.1 ; U13.1 45.08,36.03 C89.2 44.35,35.5 43.25,35.5 43.08,35.33 42.68,35.33 C91.1 ; C91.1 v2(41.85,35.1) ; v1(37.82,39.1) 37.82,38.48 C81.1 U15.5
  vias: v1(30.45,38.5) v1(30.47,37.48)
